# Altium PCB Quark.PcbDoc (part 3 of 3)
Units mil, origin at the board's own origin, x right, y up, seen from the top; angles counter-clockwise.
Board outline 1220.47 x 944.88 mil, 6 copper layers (Top1, Signal2, Gnd3, Power4, Signal5, Bottom6), stack 32.534 mil thick; 106 components, 182 nets, 776 pads, 404 vias.
Unrouted connection lines stored in the file: 82.
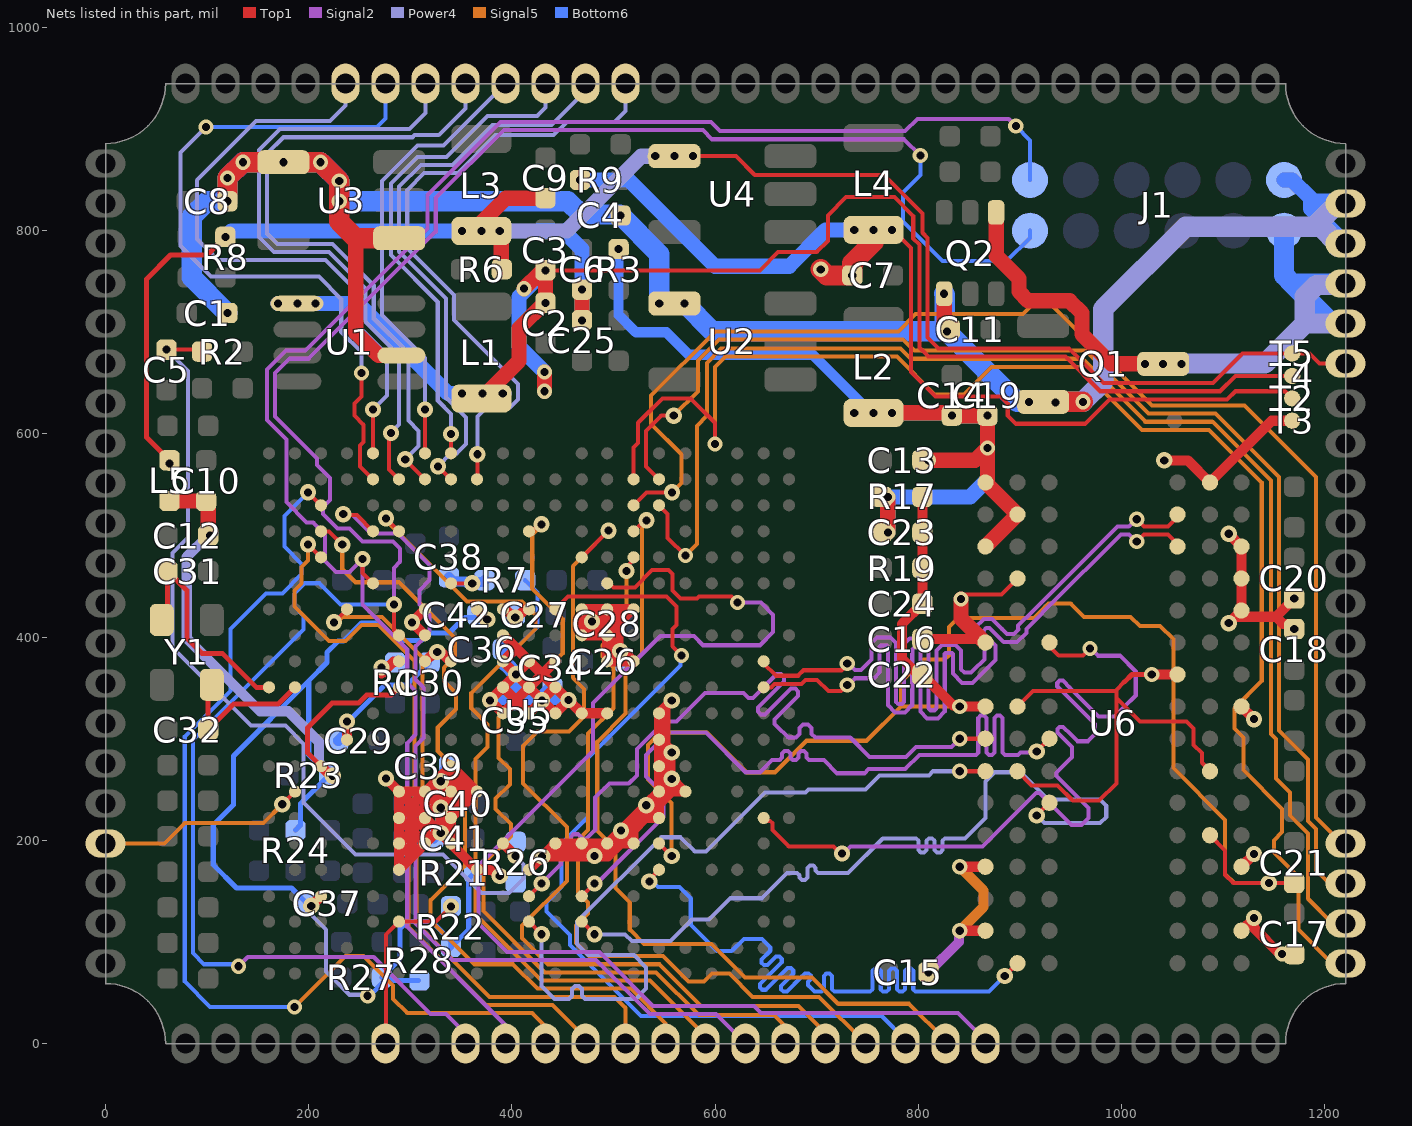
[diagram p7: the nets of this part, all layers, seen from the top]

## Via types
v1: diameter 16, hole 8, Top1 to Bottom6, tented both sides, 238 vias
v2: diameter 15, hole 8, Top1 to Bottom6, tented both sides, 166 vias

## Nets (pads, with @x,y where several pads share a name; then routed paths per layer and width w, separated by ;. In a path a pad name is that pad's centre, name@x,y a point inside that pad or via, vN(x,y) a via of type N, cw(c..) or ccw(c..) an arc to the next point about the centre after c; other vN are vias at no path point) (continued)
SDQS0_P: U5.R20 U6.F3 | length 831.8
  Top1 w4: U5.R20@647.77,222 649.94,222 652.75,219.19 653.93,219.19 656.27,216.84 656.27,210.22 672.49,194 716.66,194 723.66,187 v1(725,187) ; U6.F3@929.01,393.46 929.01,390.9 938.19,381.71 962.01,381.71 v2(968.98,388.69)
  Signal2 w4: v1(725,187) 726.34,187 733.34,194 863.31,194 915.72,246.4 919.19,246.4 950.59,215.01 960.69,215.01 967.56,221.88 967.56,231.98 936.16,263.37 936.16,266.85 951.09,281.78 951.09,291.88 936.94,306.03 936.94,309.5 939.12,311.69 942.6,311.69 950.28,304 956.75,297.54 966.85,297.54 973.31,304 973.72,304.4 973.72,314.51 943.74,344.49 936.74,351.49 936.74,354.96 938.92,357.15 942.39,357.15 949.39,350.15 977.54,322 993.31,322 1001.97,330.66 1014,342.69 1014,366 998.31,381.69 976.83,381.69 969.83,388.69 v2(968.98,388.69)
SDQS1_N: U5.J20 U6.B7 | length 832.2
  Top1 w4: U5.J20@647.77,376.18 647.77,374.23 660,362 681.81,362 687.19,367.39 724.39,367.39 v2@730,373 ; v2(1014.98,516) 1022,508.98 1045.81,508.98 1055,518.16 U6.B7@1055,520.72
  Signal2 w4: v2(730,374) 731.34,374 737.84,367.5 743.5,367.5 754,378 754,394.04 759.54,399.58 772.46,399.58 778,394.04 778,336.27 780.27,334 783.73,334 786,336.27 786,393.15 791.54,398.69 804.46,398.69 810,393.15 810,330 812,328 816,328 818,330 818,386.91 823.54,392.45 836.46,392.45 842,386.91 842,368.36 845.36,365 852,365 854.5,367.5 865,378 865,391.43 855.4,401.03 855.4,408.87 864.53,418 872.37,418 882.64,407.73 887.37,403 894,403 898.39,407.39 898.26,411.26 912.84,425.84 919.79,432.79 996,509 1007.13,509 1014.13,516 v2(1014.98,516)
SDQS1_P: U5.K20 U6.C7 | length 831.9
  Top1 w4: U5.K20@647.77,350.59 655.23,350.59 658.64,354 685.12,354 689.12,358 700.39,358 711.39,347 724,347 v2(730,353) ; v2(1015.02,494) 1022,500.98 1045.81,500.98 1055,491.79 U6.C7@1055,489.23
  Signal2 w4: v2(730,353) 731.34,353 737.84,359.5 756.46,359.5 762,365.04 762,390.73 ; 762.86,391.58 769.14,391.58 ; 770,390.73 770,332.96 776.96,326 787.04,326 794,332.96 794,387.84 796.16,390 799.84,390 802,387.84 802,326.69 808.69,320 819.31,320 826,326.69 826,383.6 ; 826.86,384.45 833.14,384.45 ; 834,383.6 834,364 843,355 853.31,355 876,377.69 876,391.74 864,403.74 864,406.16 866.84,409 870.05,409 884.05,395 897.31,395 906.39,404.07 906.39,408.07 916.15,417.84 927.79,429.47 999.31,501 1007.18,501 1014.18,494 v2(1015.02,494)
SODT0: U5.W11 U6.K1 | length 794.5
  Top1 w4: U5.W11@416.77,120 v1(429.27,107.5) ; v2(840.75,268) U6.K1@866.02,268
  Power4 w4: v1(429.27,107.5) 429.27,56.73 442,44 454,44 456,44 459,47 459,53.75 462,56.75 466,56.75 469,53.75 469,47 472,44 477,44 522,44 532,54 532,75 520,87 475,87 464,98 464,120 547,203 565.97,203 579.97,189 591,189 649,247 689,247 692,250 748,250 762,264 810.31,264 814.31,268 v2(840.75,268)
SODT1: U5.V11 U6.J1 | length 813.4
  Top1 w4: U5.V11@416.77,145 v1(429.27,157.5) ; v2(840.75,300) U6.J1@866.02,300
  Signal2 w4: v1(429.27,157.5) 446.39,174.61 448.06,176.29 448.06,180.53 443.82,184.77 443.82,189.02 446.64,191.84 450.89,191.84 457.25,185.48 460.23,182.5 464.47,182.5 467.3,185.33 467.3,189.57 464.32,192.55 457.96,198.91 457.96,203.16 460.79,205.99 465.03,205.99 469.27,201.74 473.51,201.74 478.46,206.69 482,210.23 482,242 496,256 515,256 523,264 523,290 550,317 562,317 590,345 628,345 631.5,341.5 632.91,340.09 637.16,340.09 660.53,363.46 664.77,363.46 667.6,360.63 667.6,356.39 642.11,330.89 642.11,326.87 645.15,323.82 649.18,323.82 674.67,349.32 678.91,349.32 681.74,346.49 681.74,342.25 658.37,318.87 658.37,314.63 660.5,312.5 672,301 677,301 679.4,301 683,304.6 683,310.4 686.6,314 691.4,314 695,310.4 695,304.6 698.6,301 707,301 709,301 733,301 752,282 787.69,282 797.69,292 832.75,292 v2(840.75,300)
SPI0_CLK: pad.52 U5.B16 | length 1223.8
  Top1 w4: U5.B16@544.77,555.32 532,568.09 532,603 547,618 v1(559.24,618)
  Signal5 w4: v1(559.24,618) 583,641.76 583,672.31 603.69,693 785,693 796,682 964.69,682 1026.69,620 1092.63,620 1155,557.63 1155,308 1183.5,279.5 1183.5,219.19 1191.5,211.19 1191.5,170.5 1201.66,160.34 1217.62,160.34 pad.52@1220.47,157.48
SPI0_CS: pad.50 U5.B15 | length 1410.3
  Top1 w4: U5.B15@519.77,555.32 519.77,586.77 524,591 524,611 548,635 576,635 600,611 v2(600,590)
  Signal5 w4: v2(600,590) 600,666 610,676 779,676 816,639 845,639 872,666 958.06,666 1020.06,604 1086,604 1138,552 1138,357 1111,330 1111,310 1120,301 1120,269 1158,231 1158,208 1150,200 1150,188 1174,164 1174,112 1207.26,78.74 pad.50@1220.47,78.74
SPI0_MISO: pad.51 U5.C16 | length 1347.2
  Top1 w4: U5.C16@544.77,529.72 553.3,521.2 553.3,497.77 v2(570.77,480.3)
  Signal5 w4: v2(570.77,480.3) 582,491.53 582,608 592,618 592,670 606,684 782.31,684 792.31,674 961.37,674 1023.37,612 1089.31,612 1147,554.31 1147,304.69 1152,299.69 1152,261 1166,247 1166,224.41 1183.5,206.91 1183.5,142.5 1207.89,118.11 pad.51@1220.47,118.11
SPI0_MOSI: pad.53 U5.C15 | length 1290.9
  Top1 w4: U5.C15@519.77,529.72 532.27,542.22 557.32,542.22 v1(557.65,542.52)
  Signal5 w4: v1(557.65,542.52) 567,551.87 567,580 537,610 537,637.69 600.31,701 780.31,701 797.31,718 903,718 912,727 931,727 1030,628 1121,628 1191.5,557.5 1191.5,222.5 1217.15,196.85 pad.53@1220.47,196.85
SRAS: U5.V13 U6.J3 | length 794.7
  Top1 w4: U5.V13@468.77,145 v1(481.27,157.5) ; v1(916.51,287.5) U6.J3@929.01,300
  Signal2 w4: v1@483.5,157.5 549,223 549,246 532,263 532,284 554.12,306.12 590.88,306.12 630,267 644,267 656,279 662,279 663.6,279 666,281.4 666,285.6 668.4,288 671.6,288 674,285.6 674,281.4 676.4,279 679.6,279 682,281.4 682,285.6 684.4,288 687.6,288 690,285.6 690,281.4 692.4,279 698,279 699,279 707,279 720,266 747,266 751.12,270.12 787.12,270.12 801,284 855,284 856.6,284 859,286.4 859,320.6 861.4,323 864.6,323 867,320.6 867,286.4 869.4,284 872.6,284 875,286.4 875,320.6 877.4,323 880.6,323 883,320.6 883,286.4 885.4,284 887,284 898,284 900.62,286.62 915.63,286.62 v1(916.51,287.5)
SRST: U5.U16 U6.T2 | length 757.8
  Top1 w4: v1@532.27,158.5 U5.U16@544.77,171 ; v1(885.01,66.5) U6.T2@897.51,79
  Bottom6 w4: v1(535.27,159.5) 538.11,159.5 543.61,154 565,154 576,143 576,117 602,91 616.37,91 628.37,103 646,103 654.29,94.71 654.29,91.32 645.83,82.86 645.83,79.47 648.09,77.2 651.49,77.2 659.95,85.66 663.34,85.66 665.6,83.4 665.6,80 644.15,58.55 644.15,55.16 646.41,52.9 649.81,52.9 671.26,74.35 674.65,74.35 676.92,72.08 676.92,68.69 664.88,56.65 664.88,53.26 667.14,51 670.54,51 684.27,64.73 688.54,69 691.94,69 694.2,66.74 694.2,63.35 691.62,60.77 691.62,57.38 698,51 704.6,51 707,53.4 707,66.6 709.4,69 712.6,69 715,66.6 715,53.4 717.4,51 752.6,51 755,53.4 755,71.6 757.4,74 760.6,74 763,71.6 763,53.4 765.4,51 768.6,51 771,53.4 771,71.6 773.4,74 776.6,74 779,71.6 779,53.4 781.4,51 784.6,51 787,53.4 787,71.6 789.4,74 792.6,74 795,71.6 795,53.4 797.4,51 869.51,51 v1(885.01,66.5)
SVREF: C21.2 C22.2 C23.1 C24.2 R17.1 R19.2 U5.T16 U6.H1 U6.M8 | length 1527.1
  Top1 w4: U5.T16@544.77,197 v1(557.27,184.5) ; U6.M8@1087,205 1102,190 1102,166 1110,158 v1(1145,158) C21.2@1170,158
  Top1 w10: C22.2@800.5,362.5 784,379 784,413 C24.2@804,433 R19.2@804,468 C23.1@804,503 R17.1@804,538 ; C22.2@804,363 834.3,332.7 839.79,332.7 v2(840.75,331.75) ; v2@841.25,331.75 U6.H1@866.02,331.75
  Signal5 w4: v1(557.27,184.5) 557.27,236.73 534,260 534,294 546,306 592,306 631,267 659,267 690,298 749,298 782.75,331.75 ; v2(840.75,331.75) 782.75,331.75 ; v1(1145,158) 1111,158 1102,167 1102,220 1051,271 1051,398 1038,411 1018,411 1009,420 963,420 950,433 928,433 914,419 839,419 830,410 830,382 826,378 805,378 782.75,355.75 782.75,331.75
SWE: U5.W13 U6.L3 | length 794.8
  Top1 w4: U5.W13@468.77,120 v1(481.27,107.5) ; v1(916.51,224.5) U6.L3@929.01,237
  Power4 w4: v1(481.27,107.5) 511.5,107.5 518,101 556.04,101 577.04,122 594,122 615,143 646,143 668,165 670.83,167.83 671,168 675,168 680.6,168 683,165.6 683,163.38 685.4,160.98 688.6,160.98 691,163.38 691,168 691,172.62 693.4,175.02 696.6,175.02 699,172.62 699,170.4 701.4,168 707,168 731,168 765,202 797.6,202 800,199.6 800,190.4 802.4,188 805.6,188 808,190.4 808,199.6 810.4,202 813.6,202 816,199.6 816,190.4 818.4,188 821.6,188 824,190.4 824,199.6 826.4,202 846,202 866,222 866,258 875,267 900.69,267 927.69,240 979,240 985,234 985,223 979,217 924.01,217 v1(916.51,224.5)
UART0_RX: J1.1 pad.29 U5.H6 | length 2169.5
  Top1 w4: v1(284,432) 284,406.59 U5.H6@288.82,401.77
  Signal2 w4: v2(131,76) 140,85 264,85 320,29 335,29 354.33,9.67 pad.29@354.33,0 ; v1(284,432) 284,468.2 290,474.2 290,487 283,494 253,494 240,507 228.2,507 214.1,521.1 214.1,528.1 221,535 221,556.56 208,569.56 208,576 167,617 167,660 181,674 200,674 325,799 325,832 392,899 588,899 597,890 786,890 v2(802,874)
  Bottom6 w4: v2(131,76) 129,78 97,78 86,89 86,298.69 195,407.69 195,421 186,430 186,443 196,453 210.44,453 231.44,432 v1(284,432) ; v2(802,874) 802,855 784.83,837.83 784.83,808.98 823.82,770 887,770 910,793 J1.1@910,800
UART0_TX: J1.2 pad.30 U5.F5 | length 1760.5
  Top1 w4: v1(253,477) 253,463.18 U5.F5@263.23,452.95
  Signal2 w4: pad.30@393.7,0 393.7,17.99 297,114.69 297,296 305,304 305,347 297,355 297,388 253,432 v1(253,477) 240,464 227,464 216,475 216,501.44 204.44,513 198,513 178,533 178,594.69 159,613.69 159,663.31 177.69,682 196.69,682 317,802.31 317,835.31 388.69,907 596,907 605,898 787,898 799,910 889,910 v2(896,903)
  Bottom6 w4: v2(896,903) 910,889 J1.2@910,850
UART1_CTS: pad.32 U5.E3 | length 727.9
  Top1 w4: v1(199.25,491.34) U5.E3@212.05,478.54
  Signal5 w4: v1(199.25,491.34) 199.25,475.25 193,469 193,453 186,446 186,430 220,396 236,396 252,412 268.69,412 304,376.69 304,202.31 298,196.31 298,114.69 374.69,38 440,38 472.44,5.56 pad.32@472.44,0
UART1_RTS: pad.31 U5.C3 | length 1012.5
  Top1 w4: v1(199.25,542.52) U5.C3@212.05,529.72
  Signal5 w4: v2(186,36) 236,86 253.91,86 283,56.91 283,44 297,30 420,30 433.07,16.93 pad.31@433.07,0
  Bottom6 w4: v2(186,36) 103,36 78,61 78,302 123,347 123,408 158,443 174,443 193,462 193,472 176,489 176,519.27 v1(199.25,542.52)
UART1_RX: pad.34 U5.D3 | length 802.8
  Top1 w4: U5.D3@212.05,504.13 219.87,504.13 v1(233,491)
  Signal2 w4: v1@232.89,491 v1(233,491)
  Signal5 w4: v1(233,491) 233,467 246,454 289,454 344,399 344,380.88 333,369.88 333,357 345,345 345,329 327,311 327,288 354,261 354,175 320,141 320,121 363,78 401,78 425,54 517,54 551.18,19.82 pad.34@551.18,0
UART1_TX: pad.33 U5.G4 | length 663.9
  Top1 w4: v1(224.84,414.57) U5.G4@237.64,427.36
  Signal5 w4: v1(224.84,414.57) 227.77,414.57 233.21,420 272,420 312,380 312,199 306,193 306,118 378,46 501,46 511.81,35.19 pad.33@511.81,0
UART2_CTS: pad.38 U5.E13 | length 884
  Top1 w4: U5.E13@468.77,478.54 v1(495,504.77)
  Signal5 w4: v1(495,504.77) 460,469.77 460,360 471,349 471,322 456,307 425,307 411,293 411,256 454,213 454,160 410,116 410,103.63 435.63,78 545.31,78 586.31,37 682,37 708.66,10.34 pad.38@708.66,0
UART2_RTS: pad.35 U5.D6 | length 821.8
  Top1 w4: v1(276.02,516.93) U5.D6@288.82,504.13
  Signal5 w4: v1(276.02,516.93) 276.02,514.98 356,435 410,435 423,422 423,408 360,345 360,330 376,314 376,292 364,280 364,127 429,62 536,62 590.55,7.45 pad.35@590.55,0
UART2_RX: pad.36 U5.D5 | length 888.6
  Top1 w4: v1@234,520 247.36,520 U5.D5@263.23,504.13
  Signal2 w4: v1@234,520 243.18,520 261.18,502 288,502 319,471 319,456 309,446 309,432 319,422 319,405 305,391 305,358.31 313,350.31 313,300.69 305,292.69 305,118 341,82 482.69,82 535.69,29 600.92,29 pad.36@629.92,0
  other v1: 234,521
UART2_TX: pad.37 U5.D11 | length 829.5
  Top1 w4: U5.D11@416.77,504.13 419.13,504.13 v1@430,515
  Signal5 w4: v1(429,511) 429,509.66 420,500.66 420,448 450,418 450,384 387,321 387,281 398,270 398,255 384,241 384,231 399,216 399,204 372,177 372,130.31 432.31,70 542,70 584,28 658,28 669.29,16.71 pad.37@669.29,0
UART3_CTS: pad.41 U5.D15 | length 813.5
  Top1 w4: U5.D15@519.77,504.13 v1@532.57,516.93
  Signal5 w4: v1(532.57,514.93) 528,510.36 528,384 512,368 512,325 484,297 484,209 502,191 502,153 516,139 516,112 530,98 596.31,98 629.31,65 695.31,65 721.19,39.12 791,39.12 826.77,3.35 pad.41@826.77,0
UART3_RTS: pad.42 U5.F14 | length 1245.1
  Top1 w4: U5.F14@493.77,452.95 495.94,452.95 499.89,449 521,449 538,466 554,466 558,462 558,446 566,438 582,438 584,440 616,440 v2(622,434)
  Signal2 w4: v2(622,434) 645,434 657,422 657,405 644,392 588,392 579,401 546,401 480,335 480,288 367,175 367,118 395,90 486,90 539,37 638.37,37 645.37,30 839,30 866.14,2.86 pad.42@866.14,0
UART3_RX: pad.40 U5.G12 | length 904.3
  Top1 w4: U5.G12@442.77,427.36 455.41,440 552,440 562,430 562,412 558,408 558,391 v2(567,382)
  Bottom6 w4: v2(567,382) 565.95,380.95 565.95,371.95 475,281 475,223 449,197 449,154 434,139 434,130 457,107 457,97 527,27 764,27 787.4,3.6 pad.40@787.4,0
UART3_TX: pad.39 U5.E15 | length 753.3
  Top1 w4: v1(512.77,465) 515.07,467.3 515.07,471.67 519.77,476.38 U5.E15@519.77,478.54
  Signal5 w4: v1(512.77,465) 512.77,415.77 489,392 489,381 500,370 500,330 475,305 475,210 465,200 465,149 475,139 475,128 463,116 463,99 476,86 548.63,86 573.63,61 589,61 597,69 614,69 637,46 702.34,46 748.03,0.31 pad.39@748.03,0
UBOOT: pad.27 R22.1 U5.W6 | length 182.4
  Top1 w4: pad.27@276,0.41 276,107.18 U5.W6@288.82,120 325.2,120 v1(340.1,134.9)
USB0-DRVVBUS: pad.18 U5.P2 | length 207.6
  Top1 w4: v1(173.96,235.5) U5.P2@186.46,248
  Signal5 w4: pad.18@0,196.85 57.85,196.85 78,217 155.46,217 v1(173.96,235.5)
USB-DM0: pad.93 U5.B5 | length 720.7
  Top1 w4: v2(252,660) 252,637 245,630 245,618 254,609 254,592 250.43,588.43 250.43,568.11 U5.B5@263.23,555.32
  Power4 w4: v2(99,902) 74,877 74,785 104,755 210,755 232,733 232,700.43 252,680.43 v2(252,660)
  Bottom6 w4: v2(99,902) 267,902 275.59,910.59 pad.93@275.59,944.88
USB-DM1: pad.91 U5.B7 | length 665.7
  Top1 w4: v1(295,575) 295,574.72 U5.B7@314.41,555.32
  Power4 w4: v1(295,575) 308,588 308,603 298,613 298,679.69 264,713.69 264,746.25 223.25,787 169.31,787 159,797.31 159,876 175,892 302.31,892 304.31,894 328,894 354.33,920.33 pad.91@354.33,944.88
USB-DM2: pad.89 U5.A8 | length 496.9
  Top1 w4: U5.A8@340,580.91 v1(340,599.91)
  Power4 w4: v1(340,599.91) 340,619.69 327,632.69 327,730 281,776 281,792.81 281,846.69 307.03,872.72 335.72,872.72 375.91,912.91 424.91,912.91 433.07,921.07 pad.89@433.07,944.88
USB-DM3: pad.87 U5.B9 | length 634.2
  Top1 w4: U5.B9@365.59,555.32 366,555.72 v1(366,580)
  Power4 w4: v1(366,580) 366,617 375,626 398,626 406,634 406,649 343,712 343,736.63 297,782.63 297,840.06 313.66,856.72 346.72,856.72 384,894 441,894 454,907 501,907 511.81,917.81 pad.87@511.81,944.88
USB-DP0: pad.94 U5.A5 | length 612.4
  Top1 w4: U5.A5@263.23,580.91 v1(263.23,624)
  Power4 w4: pad.94@236.22,944.88 236.22,923.22 221,908 148.31,908 90,849.69 90,791.63 110.63,771 216.63,771 248,739.63 248,707.06 277,678.06 277,637.77 v1(263.23,624)
USB-DP1: pad.92 U5.B6 | length 629
  Top1 w4: v1(281,601) 279,599 279,565.13 U5.B6@288.82,555.32
  Power4 w4: v1(281,601) 281,601.34 289,609.34 289,677.37 256,710.37 256,742.94 219.94,779 166,779 151,794 151,879.31 171.69,900 299,900 314.96,915.96 pad.92@314.96,944.88
USB-DP2: pad.90 U5.A7 | length 447.1
  Top1 w4: U5.A7@314.41,580.91 v1(314.41,624)
  Power4 w4: v1(314.41,624) 314.41,674.59 272,717 272,823.18 272,849 307.03,884.03 332.85,884.03 pad.90@393.7,944.88
USB-DP3: pad.88 U5.B8 | length 565.5
  Top1 w4: v1(327.2,568.11) U5.B8@340,555.32
  Power4 w4: v1(327.2,568.11) 340.09,581 346,581 355,590 355,616 335,636 335,733.31 289,779.31 289,843.37 310.35,864.72 341.72,864.72 381,904 439,904 472.44,937.44 pad.88@472.44,944.88
VCC-DRAM: C13.2 C14.2 C15.2 C16.2 C17.2 C18.2 C19.2 C20.2 C23.2 L2.2 R3.1 R17.2 T3.0 U5.L16 U5.M16 U5.N16 U5.P16 U5.P17 U5.R16 U5.T12 U5.T13 U5.T14 U5.T15 U5.U11 U6.A1 U6.A8 U6.B2 U6.C1 U6.C9 U6.D2 U6.D9 U6.E9 U6.F1 U6.G7 U6.H2 U6.H9 U6.K2 U6.K8 U6.N1 U6.N9 U6.R1 U6.R9 | length 3199.4
  Top1 w4: v2(842.09,437.5) 842.5,437.5 847,442 881.78,442 U6.D2@897.51,457.73 ; U6.K2@897.51,268 911.51,254 937,254 952,239 978,239 995,256 995,340 ; U6.H2@897.51,331.75 912.76,347 994,347 995,348 ; 1002.62,355.62 995,348 ; U6.K8@1087,264.75 U6.K8@1087,268 1087,268.34 1079,276.34 1079,286 1071,294 1071,310 1064,317 1018,317 995,340 ; v1(1130.5,186.5) v1@1130.5,187.34 ; 995,340 995,348
  Top1 w5: 1002.62,355.62 1010.24,363.24 v2(1029.73,363.24)
  Top1 w10: U5.U11@416.77,171 v1(429.77,184) ; 474.77,190.5 436.27,190.5 ; v1(557.27,337.5) 551.02,331.25 ; U5.P17@570.77,248 U5.P17@570.23,248 ; C16.2@810,398 861.13,398 864.39,394.74 865.75,394.74 U6.F1@866.02,394.74 ; v2(840.75,111) U6.R1@866.02,111 ; v2(840.75,174) U6.N1@866.02,174 ; v2(1029.73,363.24) U6.G7@1055,363.24 ; v1(1042,574) 1065.22,574 U6.A8@1087,552.22 1147.78,613 T3.0@1168,613 ; v1(1105.5,413.74) 1111.75,419.99 ; v1(1105.5,501.73) U6.C9@1118,489.23 U6.D9@1118,457.73 U6.E9@1118,426.24 1111.75,419.99 ; U6.R9@1118,111 v1(1130.5,123.5) 1130.5,113.5 1156,88 v2(1158,88) C17.2@1170,88 ; U6.N9@1118,174 v1(1130.5,186.5) ; U6.H9@1118,331.75 v1(1130.5,319.25) ; v2(1170,408) 1165,413 1158.97,413 1151.99,419.99 ; v2(1170,438) 1151.99,419.99 ; v1(429.77,184) 436.27,190.5 ; v1(429.77,184) 494.27,184 507.27,197 ; 436.27,190.5 U5.T12@442.77,197 U5.T13@468.77,197 ; U5.T13@468.77,197 v1(481.27,184.5) 482.27,184.5 U5.T14@494.77,197 ; U5.T13@468.77,197 U5.T14@493.77,197 U5.T14@494.77,197 ; U5.T14@494.77,197 v1(507.27,209.5) ; U5.T14@494.77,197 507.27,197 ; 507.27,197 U5.T15@519.77,197 ; 507.27,197 513.52,203.25 ; v1(507.27,209.5) v1(532.27,234.5) ; v1(507.27,209.5) 513.52,203.25 ; 513.52,203.25 U5.T15@519.77,197 ; U5.T15@519.77,197 519.77,210.27 ; 519.77,210.27 531.5,222 ; 519.77,210.27 519.77,218 523.77,222 531.5,222 ; 531.5,222 U5.R16@544.77,222 ; 531.5,222 538.14,228.64 ; v1(532.27,234.5) 538.14,228.64 ; v1(532.27,234.5) 532.27,235.5 U5.P16@544.77,248 ; 538.14,228.64 U5.R16@544.77,222 ; 538.14,228.64 544.77,235.27 ; U5.R16@544.77,222 544.77,235.27 ; 544.77,235.27 U5.P16@544.77,248 ; 544.77,235.27 557.5,248 ; U5.P16@544.77,248 v1(557.27,260.5) ; U5.P16@544.77,248 557.5,248 ; U5.P16@544.77,248 U5.N16@544.77,273 ; U5.N16@544.77,273 v1(557.27,260.5) ; U5.N16@544.77,273 v1@556.12,284.35 ; U5.N16@544.77,273 U5.M16@544.77,299 ; U5.M16@544.77,299 U5.L16@544.77,325 551.02,331.25 ; U5.M16@544.77,299 v1(557.27,286.5) ; 551.02,331.25 551.02,294.37 557.27,288.12 v1(557.27,286.5) ; v1@556.12,284.35 557.27,285.5 v1(557.27,286.5) ; v1@556.12,284.35 556.12,285.35 v1(557.27,286.5) ; v1@556.12,284.35 556.12,281.11 555.77,280.76 555.77,263.62 557.27,262.12 v1(557.27,260.5) ; v1(557.27,260.5) 568.77,249 569.23,249 U5.P17@570.23,248 ; 557.5,248 U5.P17@570.23,248 ; 1111.75,419.99 1151.99,419.99
  Top1 w15: v2(756,620.72) v2(774,620.72) 830.28,620.72 v2(833,618) v2(868,618) ; v2(770,503) v2(770,538) ; v2(810,574) 855.76,574 v2(868,586.24) ; v2(842.09,437.5) 842.09,418.39 U6.F1@865.75,394.74 ; C19.2@865.28,620.72 v2(868,618) ; U6.C1@866.02,489.23 U6.B2@897.51,520.72 U6.A1@866.02,552.22 866.02,552.49 868,554.48 v2(868,586.24) ; v2(868,586.24) v2(868,618)
  Signal2 w10: v2(810,70) 839.96,99.96 839.96,110.22 v2(840.75,111)
  Signal5 w10: v2(840.75,111) 864,134.25 864,150.75 v2(840.75,174)
  Bottom6 w10: v2(505,782) 505,717 522,700 552,700 574,678 696,678 v2@753.28,620.72
  Bottom6 w15: v2(737,620.72) 753.28,620.72 v2(756,620.72) v2(774,620.72) 830.28,620.72 v2(833,618) v2(868,618) v2(868,586.24) 868,555 851,538 v2(770,538) v2(770,503)
VDD1V1-EPHY: C38.2 R7.2 U5.F8 | length 59.8
  Top1 w4: U5.F8@340,452.95 v1(361,452.95)
  Bottom6 w10: C38.2@338,459 342.29,454.71 354.62,454.71 356.38,452.95 358,452.95 359.15,454.1 371.1,454.1 R7.2@373,456
VDD1V2-SYS: C7.2 C34.2 C35.2 C36.2 L4.2 R7.1 R9.2 T2.0 U5.H10 U5.J10 U5.J11 U5.J12 U5.K10 U5.K11 U5.K12 U5.L10 U5.L11 U5.L12 U5.L13 U5.L14 | length 1843
  Top1 w4: v2(756,800.72) 756.91,799.82 776.18,799.82 793,783 793,661 817,637 881,637 888,630 888,618 896,610 964,610 988,634 1104,634 1112,642 1161,642 T2.0@1168,635
  Top1 w10: U5.K10@391.18,350.59 403.98,337.8 ; U5.H10@391.18,401.77 391.59,401.77 404.28,389.08 ; U5.J11@416.77,376.18 v1@403.98,363.39 ; U5.J12@442.77,376.18 429.98,363.39 ; U5.L13@468.36,325 U5.L13@468.77,325 U5.L14@493.77,325 ; U5.L13@468.57,325.2 v1(455.77,338) ; 403.98,337.8 U5.L11@416.77,325 v1(429.57,337.8) ; 403.98,337.8 U5.L10@391.18,325 v1(378.39,337.8) v1(403.98,363.39) ; 403.98,337.8 U5.K11@416.77,350.59 ; v1(403.98,363.39) U5.K11@416.77,350.59 ; v1(403.98,363.39) U5.J10@391.18,376.18 391.39,376.18 404.28,389.08 ; 404.28,389.08 416.98,376.39 429.98,363.39 ; U5.K11@416.77,350.59 v1(429.57,337.8) ; U5.K11@416.77,350.59 417.18,350.59 429.98,363.39 ; v1(429.57,337.8) 442.36,350.59 U5.K12@442.77,350.59 ; v1(429.57,337.8) 442.36,325 U5.L12@442.77,325 v1(455.77,338) ; 429.98,363.39 U5.K12@442.77,350.59 ; U5.K12@442.77,350.59 455.36,338 v1(455.77,338)
  Top1 w20: v2(704,762) 710,756 v2(735,756) 735,768 756,789 v2(756,800.72)
  Signal5 w15: v2(737,800.72) v2(756,800.72) v2(774,800.72)
  Power4 w15: v2(737,800.72) v2(756,800.72) v2(774,800.72)
  Bottom6 w4: C36.2@391,388 392.66,389.66 404.66,389.66 425,410 425,444 R7.1@413,456
  Bottom6 w10: v1(378.39,337.8) 378.59,338 C35.2@404,338 428,338 v1(455.77,338)
  Bottom6 w15: C36.2@391,388 393.5,385.5 393.5,373.86 v1(403.98,363.39) C35.2@404,338 ; v1@428,338 C34.2@440,350 ; v2(467,850) 515,850 600,765 673,765 708.72,800.72 v2(737,800.72) v2(756,800.72) v2(774,800.72) ; v2(704,762) 710,756 v2(735,756)
VDD-CPUS: C29.2 C30.2 U5.J7 U5.J8 U5.M4 | length 181.4
  Top1 w10: U5.M4@237.64,299 237.64,309.83 v1(237.64,317) ; U5.J7@314.41,376.18 314.95,376.18 322.9,384.13 v1@325.36,384.13 ; v1(326.51,385.28) v1@325.36,384.13 ; U5.J8@340,376.18 339.46,376.18 331.51,384.13 v1@325.36,384.13
  Bottom6 w5: v1@236.49,315.85 237.85,315.85 275,353 297,353 C30.2@319,375
  Bottom6 w10: C29.2@229,298 236.49,305.49 236.49,315.85 v1(237.64,317)
VDD-CPUX: C2.2 C3.2 C39.2 C40.2 C41.2 L1.2 R26.2 T4.0 U1.5 U5.N8 U5.P6 U5.P7 U5.P8 U5.P9 U5.R6 U5.R7 U5.R8 U5.T6 U5.T7 U5.T8 U5.U6 U5.U9 | length 2684.4
  Top1 w4: v1@327.5,209.5 v1(329.9,207.1) U5.T8@340,197 ; v1@327.5,234.5 v1(329.9,232.1) U5.R8@340,222 ; v1@327.5,260.5 v1(329.9,258.1) U5.P8@340,248 ; v2(433,761) 644,761 662,779 700,779 711,790 711,815 729,833 776.69,833 795,814.69 795,792.31 801,786.31 801,685 810,676 945,676 979,642 1097,642 1112,657 T4.0@1168,657
  Top1 w10: v1(276.02,260.8) U5.P6@288.82,248 ; U5.R6@288.82,222.18 U5.P6@288.82,247.77 ; U5.R6@289,222.18 U5.R6@288.82,222 ; U5.R6@290.36,221 289.36,222 U5.R6@289,222 ; U5.R6@290.41,221 299.56,211.85 301.7,209.7 ; 301.73,236.27 301.73,234.86 ; v1@327.5,234.5 v1@327,235 ; v1(329.9,207.1) v1@329.9,212.08 ; v1(329.9,258.1) 329.9,248 ; U5.T8@340,197 U5.R8@340,222 ; U5.N8@341.54,272 340.54,273 U5.N8@340,273 ; U5.N8@341.59,272 349.3,264.3 ; 349.3,232.7 349.3,248 ; v1(388,165) 386.38,165 380.38,171 U5.U9@365.59,171 329.7,206.9 v1@327.2,209.39 ; U5.T6@288.82,197 U5.U6@288.82,171 v1@327.2,209.39 ; U5.T6@288.82,197 U5.R6@288.82,222 ; U5.T6@288.82,197 289,197 301.7,209.7 ; U5.T6@288.82,197 301.73,184.09 301.73,209.68 U5.T7@314.41,197 U5.R7@314.41,222 U5.R7@314.41,222.18 ; U5.R6@288.82,222 U5.R6@289,222 ; U5.P6@288.82,247.77 U5.P6@288.82,248 ; U5.P6@288.82,247.77 301.73,234.86 ; U5.P6@288.82,248 U5.P7@314.41,248 ; U5.R6@289,222 301.73,234.73 ; 301.73,209.73 301.73,234.73 ; 301.73,209.73 U5.R7@314.3,222.3 ; 301.73,234.73 301.8,234.8 ; 301.73,234.73 301.73,234.86 ; 301.73,234.86 301.8,234.8 ; 301.8,234.8 U5.R7@314.3,222.3 ; 301.8,234.8 U5.P7@314.41,247.41 ; U5.R7@314.3,222.3 U5.R7@314.41,222.41 ; U5.R7@314.3,222.3 U5.R7@314.41,222.18 ; U5.R7@314.41,222.18 U5.R7@314.41,222.41 ; U5.R7@314.41,222.18 314.5,222.09 v1@327.2,209.39 ; U5.R7@314.41,222.41 U5.P7@314.41,247.41 ; U5.R7@314.41,222.41 v1@327,235 ; U5.P7@314.41,247.41 U5.P7@314.5,247.5 ; U5.P7@314.41,247.41 U5.P7@314.41,247.59 ; U5.P7@314.41,247.59 U5.P7@314.5,247.5 ; U5.P7@314.41,247.59 U5.P7@314.41,248 ; U5.P7@314.41,248 U5.P7@315,248 ; U5.P7@314.5,247.5 v1@327,235 ; U5.P7@314.5,247.5 U5.P7@315,248 ; U5.P7@315,248 327.5,260.5 U5.N8@340,273 ; U5.P7@315,248 329.9,248 ; v1@327,235 v1@329.9,237.9 ; v1@327.2,209.39 v1@329.9,212.08 ; v1@329.9,212.08 339.82,222 U5.R8@340,222 ; v1@329.9,212.08 v1(329.9,232.1) v1@329.9,237.9 ; v1@329.9,237.9 U5.P8@340,248 ; v1@329.9,237.9 329.9,248 ; 329.9,248 U5.P8@340,248 ; U5.R8@340,222 365.59,247.59 U5.P9@365.59,248 ; U5.R8@340,222 U5.P8@340,248 ; U5.P8@340,248 349.3,248 ; U5.P8@340,248 U5.N8@340,273 ; 349.3,248 U5.P9@365.59,248 ; 349.3,248 349.3,264.3 ; 349.3,264.3 U5.P9@365.59,248
  Top1 w15: L1.2@370,634.72 407,671.72 407,704 433,730 v2(433,761) 430.5,758.5 427.5,758.5 v2(412,743) ; v2(432,642) v2(432,661)
  Signal2 w10: v2(432,642) v2(432,661)
  Signal5 w10: v2@415,743 v2(433,761) ; v2(432,642) v2(432,661)
  Power4 w10: v2@415,743 v2(433,761)
  Bottom6 w10: C41.2@323,202 328,207 328,210.96 329.9,212.86 v1(329.9,232.1) v1(329.9,258.1) 329.9,259.72 333,262.82 333,268 C39.2@338,273
  Bottom6 w15: v2(169.82,728.39) v2(188.82,728.39) v2(206.82,728.39) 248.61,728.39 337.28,639.72 v2(351,639.72) v2(371,639.72) v2(391,639.72) v2@392,639.72 ; v2(432,642) v2(432,661) 407,686 407,735 v2(433,761)
  other v2: 433,729
VDD_5V: C1.2 C4.2 C8.2 C11.2 J1.12 pad.68 pad.69 Q1.2 Q2.4 U1.2 U2.4 U3.1 U3.4 | length 2285.8
  Top1 w15: 246.4,792.6 246.4,699.6 268.8,677.2 U1.2@291.18,677.2 ; v2(825.41,738) 825.41,708.59 C11.2@831,703
  Top1 w20: v2(120,829) v2(120,852) v2(135.4,867.4) v2(175.06,867.4) v2(211.6,867.4) v2(230,849) v2(230,829) 230,809 246.4,792.6 U3.1@289.06,792.6 ; Q1.2@922.94,631.6 v2(962,631.6)
  Power4 w20: v2(909,631.6) v2(962,631.6) 982,651.6 982,723 1063,804 1189.75,804 ; pad.68@1213.12,783.91 pad.68@1216.61,787.4 ; pad.68@1220.47,787.4 pad.68@1216.61,787.4 ; pad.69@1220.47,826.77 1212.52,826.77 1189.75,804 ; 1189.75,804 1195.92,804 1212.52,787.4 pad.68@1216.61,787.4
  Bottom6 w15: J1.12@1160,850 1168,850 1186.35,831.65 1186.35,829.17 ; pad.68@1212.61,785.96 pad.68@1219.03,785.96 ; pad.68@1220.47,787.4 1186.35,821.52 1186.35,829.17 ; pad.69@1220.47,826.77 1218.07,829.17 1186.35,829.17
  Bottom6 w20: v2(120,719) 85,754 85,814 100,829 v2(120,829) v2(120,852) v2(135.4,867.4) v2(175.06,867.4) v2(211.6,867.4) v2(230,849) v2(230,829) 455,829 468,816 506,816 v2(507,815) 545,777 v2(545,728.4) v2(570,728.4) 597.4,701 824.28,701 v2@826.14,702.86 ; v2(825.41,738) 826.14,737.27 v2@826.14,702.86 ; v2(962,631.6) v2(909,631.6) 897.4,631.6 v2@826.14,702.86 ; pad.68@1219.03,785.96 pad.68@1220.47,787.4
  other v2: 935,631 828.2,700.8
VDD_AV_3.3V: C10.2 C12.2 C37.1 C42.2 L5.2 R21.2 R22.2 R23.2 R24.2 R27.1 R28.1 U5.G9 U5.K6 U5.N3 U5.V3 | length 1684.4
  Top1 w4: v1@199.55,132.5 v1(202.55,135.5)
  Top1 w5: U5.N3@212.05,273 199,286.05 199,311 223,335 249,335 257,343 281.23,343 U5.K6@288.82,350.59
  Top1 w10: v1(202.55,135.5) U5.V3@212.05,145 ; U5.N3@212.05,273 v1@222.55,262.5 ; U5.G9@365.59,427.36 v1(375.69,417.26)
  Top1 w15: L5.2@63,534 C10.2@99,534 ; C12.2@101,500 C10.2@101,532
  Power4 w4: v1(202.55,135.5) 202.55,126.45 217,112 217,71 240,48 253,48 v2@257,44
  Power4 w10: v2@101,500 80,479 80,399 152,327 180,327 210,297 210,277.05 v1(223.55,263.5)
  Bottom6 w5: R24.2@187,210 192,215 192,236 R23.2@220,264 200,284 200,357 ; C37.1@198,138 183,153 129,153 106,176 106,215 126,235 126,283 200,357 ; v2@257,44 278,65 281,62 R28.1@308,62 ; R27.1@272,65 290,83 290,113 297,120 321,120 340,101 R22.2@340,95 ; R22.2@340,94 R22.2@340,95 ; R21.2@357.04,162.04 R21.2@357.5,162.5 ; R21.2@363,168 R21.2@357.5,162.5 ; C42.2@366,422 363.43,419.43 353.43,419.43 338,404 318,404 310.5,396.5 286.5,396.5 269,414 252,414 234,396 229,396 218,385 218,375 200,357 ; R22.2@340,95 357.5,112.5 R21.2@357.5,162.5
  other v2: 258,47 103,500
VDD_CPUFB: C5.2 R2.2 R26.1 U5.T10 | length 872.3
  Top1 w4: v2(60,683) 93,683 R2.2@95,681
  Top1 w10: U5.T10@391.18,197 v1(403.68,184.5)
  Power4 w4: v2(60,683) 81,662 81,498 66,483 66,390 143,313 177,313 195,295 195,237 246,186 332,186 370,148 397,148 411.43,162.43 411.43,176.16 403.68,183.91 v1(403.68,184.5)
VDD_SYS_3.3V: C6.2 C9.2 C25.2 C26.2 C27.2 C28.2 L3.2 L5.1 pad.65 R1.2 R6.2 R8.1 T5.0 U4.4 U5.G7 U5.G10 U5.G11 U5.G13 U5.G14 U5.G15 U5.H7 U5.H13 U5.H14 U5.J6 U5.J14 U5.J15 | length 2464.9
  Top1 w4: v2(560.06,873.4) v2(578.06,873.4) 620.6,873.4 639,855 766,855 804,817 804,798 809,793 809,695 820,684 948.31,684 982.31,650 1090.19,650 1119.19,679 T5.0@1168,679 1185,679 1194.71,669.29 pad.65@1220.47,669.29
  Top1 w5: L5.1@63,574 40.5,596.5 40.5,752.5 64,776 100,776 v2(118,794)
  Top1 w10: v1@271.72,364.08 283.44,375.8 288.44,375.8 U5.J6@288.82,376.18 ; U5.H7@314.41,401.77 v1(301.61,414.57) U5.G7@314.41,427.36 ; U5.G10@391.18,427.36 391.56,426.98 393.94,426.98 401.66,419.26 v1(403.28,419.26) 404.9,419.26 412.62,426.98 416.39,426.98 U5.G11@416.77,427.36 ; U5.G14@493.77,426.77 U5.H14@493.77,401.77 ; v1(506.67,386.28) 505.52,387.43 v1@505.52,387.93 ; U5.J15@519.77,376.18 U5.J15@519.36,376.18 ; U5.G15@519.77,427.36 U5.G15@519.23,427.36 ; U5.H13@468.77,401.77 U5.G13@468.77,427.36 ; U5.H13@468.77,401.77 v1@481.57,414.57 ; U5.H13@468.77,401.77 493.01,401.77 U5.H14@493.39,402.15 ; U5.G13@468.77,427.36 U5.G14@493.77,427.36 ; U5.G13@468.77,427.36 479.87,416.26 v1@481.57,414.57 ; v1@481.57,414.57 493.39,402.74 U5.H14@493.39,402.15 ; v1@481.57,414.57 493.39,426.39 493.39,426.98 U5.G14@493.77,427.36 ; U5.H14@493.39,402.15 U5.H14@493.77,401.77 ; U5.J14@493.77,376.18 U5.J15@519.36,376.18 ; U5.J14@493.77,376.18 v1@505.52,387.93 ; U5.J14@493.77,376.18 U5.H14@493.77,401.77 ; U5.H14@493.77,401.77 494.15,402.15 494.15,402.92 504.77,413.54 ; U5.H14@493.77,401.77 v1@505.52,390.02 ; U5.G14@493.77,427.36 493.77,426.82 494.77,425.82 494.77,425.74 504.77,415.74 ; U5.G14@493.77,427.36 506.5,427.36 ; 504.77,413.54 504.77,392.42 505.52,391.67 v1@505.52,390.02 ; 504.77,413.54 504.77,415.74 ; 504.77,413.54 505.88,414.64 ; 504.77,415.74 504.77,425.63 506.5,427.36 ; 504.77,415.74 505.88,414.64 ; v1@505.52,387.93 v1@505.52,390.02 ; v1@505.52,387.93 v1@506.57,388.98 ; v1@505.52,390.02 v1@506.57,388.98 ; 505.88,414.64 517.6,426.36 518.23,426.36 U5.G15@519.23,427.36 ; 506.5,427.36 U5.G15@519.23,427.36 ; v1@506.57,388.98 U5.J15@519.36,376.18
  Top1 w15: R6.2@390,762 389.42,762.58 389.42,793.44 383.14,799.72 v2(370,799.72) 370,808 394,832 C9.2@433,832 ; C25.2@469,712 v2(469,742)
  Power4 w15: v2(351,799.72) v2(370,799.72) v2(388,799.72) 453.72,799.72 527.4,873.4 v2(541.06,873.4) v2(560.06,873.4) v2(578.06,873.4)
  Bottom6 w15: v2(118,794) 123.72,799.72 v2(351,799.72) v2(370,799.72) v2(388,799.72) 450.96,799.72 469,781.69 v2(469,711.69)
  other v1: 271.72,370.08 478.87,415.26
  other v2: 63,571
VDD_USB_5V: J1.11 pad.66 pad.67 Q1.3 Q2.1 | length 745
  Top1 w15: Q2.1@876.59,818 876.59,775.41 899,753 899,740.15 908.15,731 949,731 961,719 961,698 990,669 v2(1023,669) v2(1041,669) v2(1041,669) Q1.3@1053,669
  Power4 w20: v2@1023,669.29 1059,669.29 1141,669.29 1180.37,708.66 ; pad.66@1220.47,708.66 1180.37,708.66 ; pad.67@1220.47,748.03 1219.03,746.59 1192.09,746.59 1180.37,734.87 1180.37,708.66
  Bottom6 w20: J1.11@1160,800 1160,756 1167.97,748.03 ; pad.66@1220.47,708.66 1207.34,708.66 1167.97,748.03 ; pad.67@1220.47,748.03 1167.97,748.03
  other v2: 1059,669
XIN: C32.2 U5.K2 Y1.1 | length 148.3
  Top1 w5: Y1.1@104.61,353.11 101,349.5 C32.2@101,309 126,334 169.87,334 U5.K2@186.46,350.59
XOUT: C31.1 U5.K1 Y1.3 | length 225.2
  Top1 w5: Y1.3@55.39,416.89 61,422.5 C31.1@61,465 80,446 80,399 95,384 115,384 148.41,350.59 U5.K1@160.87,350.59
pads on no net: U1.1 U5.A1 U5.A13 U5.A14 U5.A16 U5.A17 U5.AA2 U5.AA8 U5.AA9 U5.AA11 U5.AA12 U5.AA14 U5.AA15 U5.AA17 U5.AA18 U5.B1 U5.B2 U5.B17 U5.B18 U5.B19 U5.C1 U5.C2 U5.C14 U5.C17 U5.C18 U5.C19 U5.D8 U5.D13 U5.D17 U5.E14 U5.E16 U5.F3 U5.F10 U5.F13 U5.F16 U5.F17 U5.H4 U5.H16 U5.J3 U5.K4 U5.L2 U5.L5 U5.M1 U5.M3 U5.N1 U5.P3 U5.R2 U5.T3 U5.T4 U5.T5 U5.U4 U5.V5 U5.W9 U5.W12 U5.W15 U5.Y2 U5.Y7 U5.Y8 U5.Y9 U5.Y10 U5.Y11 U5.Y12 U5.Y13 U5.Y14 U5.Y15 U5.Y16 U5.Y17

## Polygon pours and split planes (outlines as drawn)
GND on Power4 "Top1-No Net" (solid, remove dead copper, pour order 30): 0,0 0,944.88 1220.47,944.88 1220.47,0
VCC-DRAM on Power4 "Top1-No Net" (solid, remove dead copper, pour order 28): 855,591 785,591 514,320 514,277 460,223 438,223 438,221 418,201 418,169 552,35 1146,36 1146,69 1193.45,69 1192.45,591 945,591 910,631 855,631
VDD-CPUX on Power4 "Top1-No Net" (solid, remove dead copper, pour order 6): 468.5,680 468.5,471 339,471 250,382 250,360 310,300 405,205 405,150.25 359.75,150.25 153.92,356.08 153.92,462 230.83,563.59 303.59,563.59 408,647.03 408,680 420,680
VDD_SYS_3.3V on Power4 "Top1-No Net" (solid, remove dead copper, pour order 4): 450,755 450,689 469,689 468,473 450,455 324.43,455 255,385.57 255.47,355 269,345 277,340 300,340 355,395 446.57,395 471,395 548,472 548,755
VDD1V2-SYS on Power4 "Top1-No Net" (solid, remove dead copper, pour order 8): 446,390 357,390 311,344 311,308 514,308 610,404 610,679 668,737 754,737 754,775 614,775 545,706 545,465 470,390
GND on Gnd3 "Top1-No Net" (solid, remove dead copper, pour order 12): 0,944.88 1220.47,944.88 1220.47,0 0,0
GND on Signal5 "Top1-No Net" (solid, remove dead copper, pour order 26): 0,944.88 1220.47,944.88 1220.47,0 0,0
GND on Top1 "Top1-No Net" (solid, remove dead copper, pour order 22): 0,944.88 1220.47,944.88 1220.47,0 0,0
GND on Bottom6 "Top1-No Net" (solid, remove dead copper, pour order 20): 0,944.88 1220.47,944.88 1220.47,0 0,0
GND on Signal2 "Top1-No Net" (solid, remove dead copper, pour order 24): 0,944.88 1220.47,944.88 1220.47,0 0,0

## Other copper
Top1:
  pour cut-out: 1230.32,885.83 1190.94,885.83 1161.42,915.35 1161.42,954.72
  pour cut-out: 1161.42,-9.84 1161.42,29.53 1190.94,59.06 1230.32,59.06
  pour cut-out: -9.84,59.06 29.53,59.06 59.06,29.53 59.06,-9.84
  pour cut-out: 59.06,954.72 59.06,915.35 29.53,885.83 -9.84,885.83
Signal2:
  pour cut-out: 1161.42,-9.84 1161.42,29.53 1190.94,59.06 1230.32,59.06
  pour cut-out: -9.84,59.06 29.53,59.06 59.06,29.53 59.06,-9.84
  pour cut-out: 59.06,954.72 59.06,915.35 29.53,885.83 -9.84,885.83
  pour cut-out: 1230.32,885.83 1190.94,885.83 1161.42,915.35 1161.42,954.72
Gnd3:
  pour cut-out: 1230.32,885.83 1190.94,885.83 1161.42,915.35 1161.42,954.72
  pour cut-out: 59.06,954.72 59.06,915.35 29.53,885.83 -9.84,885.83
  pour cut-out: -9.84,59.06 29.53,59.06 59.06,29.53 59.06,-9.84
  pour cut-out: 1161.42,-9.84 1161.42,29.53 1190.94,59.06 1230.32,59.06
Signal5:
  pour cut-out: 1161.42,-9.84 1161.42,29.53 1190.94,59.06 1230.32,59.06
  pour cut-out: -9.84,59.06 29.53,59.06 59.06,29.53 59.06,-9.84
  pour cut-out: 59.06,954.72 59.06,915.35 29.53,885.83 -9.84,885.83
  pour cut-out: 1230.32,885.83 1190.94,885.83 1161.42,915.35 1161.42,954.72
Power4:
  pour cut-out: 1161.42,-9.84 1161.42,29.53 1190.94,59.06 1230.32,59.06
  pour cut-out: 1230.32,885.83 1190.94,885.83 1161.42,915.35 1161.42,954.72
  pour cut-out: 59.06,954.72 59.06,915.35 29.53,885.83 -9.84,885.83
  pour cut-out: -9.84,59.06 29.53,59.06 59.06,29.53 59.06,-9.84
Bottom6:
  pour cut-out: 59.06,954.72 59.06,915.35 29.53,885.83 -9.84,885.83
  pour cut-out: 1230.32,885.83 1190.94,885.83 1161.42,915.35 1161.42,954.72
  pour cut-out: -9.84,59.06 29.53,59.06 59.06,29.53 59.06,-9.84
  pour cut-out: 1161.42,-9.84 1161.42,29.53 1190.94,59.06 1230.32,59.06

## Silkscreen, mask and mechanical layers (free items; w line width, h text height)
Top Overlay:
  region: 29.53,841.53 103.35,915.35 55.35,915.35 29.53,889.53
  lines w7: 29.53,55.47 29.53,889.53 55.35,915.35 1164.65,915.35 1190.95,889.06 1190.95,55.95 1164.53,29.53 55.47,29.53 29.53,55.47
  text "- Ver 1.1 -" at 1024,705 h40
  text "3V3" at 1106,671 h30
  text "1V1" at 1106,649 h30
  text "1V2" at 1106,627 h30
  text "1V5" at 1106,605 h30
  text "CPU" at 703,215 h80 r270
  text "DDR" at 832,215 h80 r90
Bottom Overlay:
  rectangle: 885,610 1185,635
  lines w7: 535,520 130,520 130,43.5 536,43.5 536,520
  text "[Project Quantum]" at 813,832 h90
  text "UART0_TX" at 935,765 h30 r90
  text "SD_CLK" at 985,765 h30 r90
  text "SD_CMD" at 1035,765 h30 r90
  text "SD_DET" at 1085,765 h30 r90
  text "GND" at 1135,765 h30 r90
  text "VDD_5V" at 1185,765 h30 r90
  text "2020.1.5" at 293,762 h50
  text "By Pengzhihui" at 812,762 h50
  text "UART0_RX" at 935,620 h30 r90
  text "SD_D3" at 985,620 h30 r90
  text "SD_D2" at 1035,620 h30 r90
  text "SD_D1" at 1085,620 h30 r90
  text "SD_D0" at 1135,620 h30 r90
  text "VDD_USB" at 1185,620 h30 r90
Top Solder:
  drawing of 296 lines, arcs and shapes, not listed
  text "[Quark]" at 911,859 h60
  text "Core+" at 911,800 h40
  text "LINUX" at 1108,796 h30
  text "pengzhihui.xyz" at 913,751 h45
Mechanical 1:
  the board outline again, w5